# Altium PCB PCB1.PcbDoc (part 5 of 6)
Units mil, origin at the board's own origin, x right, y up, seen from the top; angles counter-clockwise.
Board outline 3937.01 x 3937.01 mil, 4 copper layers (Top Layer, GND, PWR, Bottom Layer), stack 72.967 mil thick; 11 components, 206 nets, 668 pads, 258 vias.
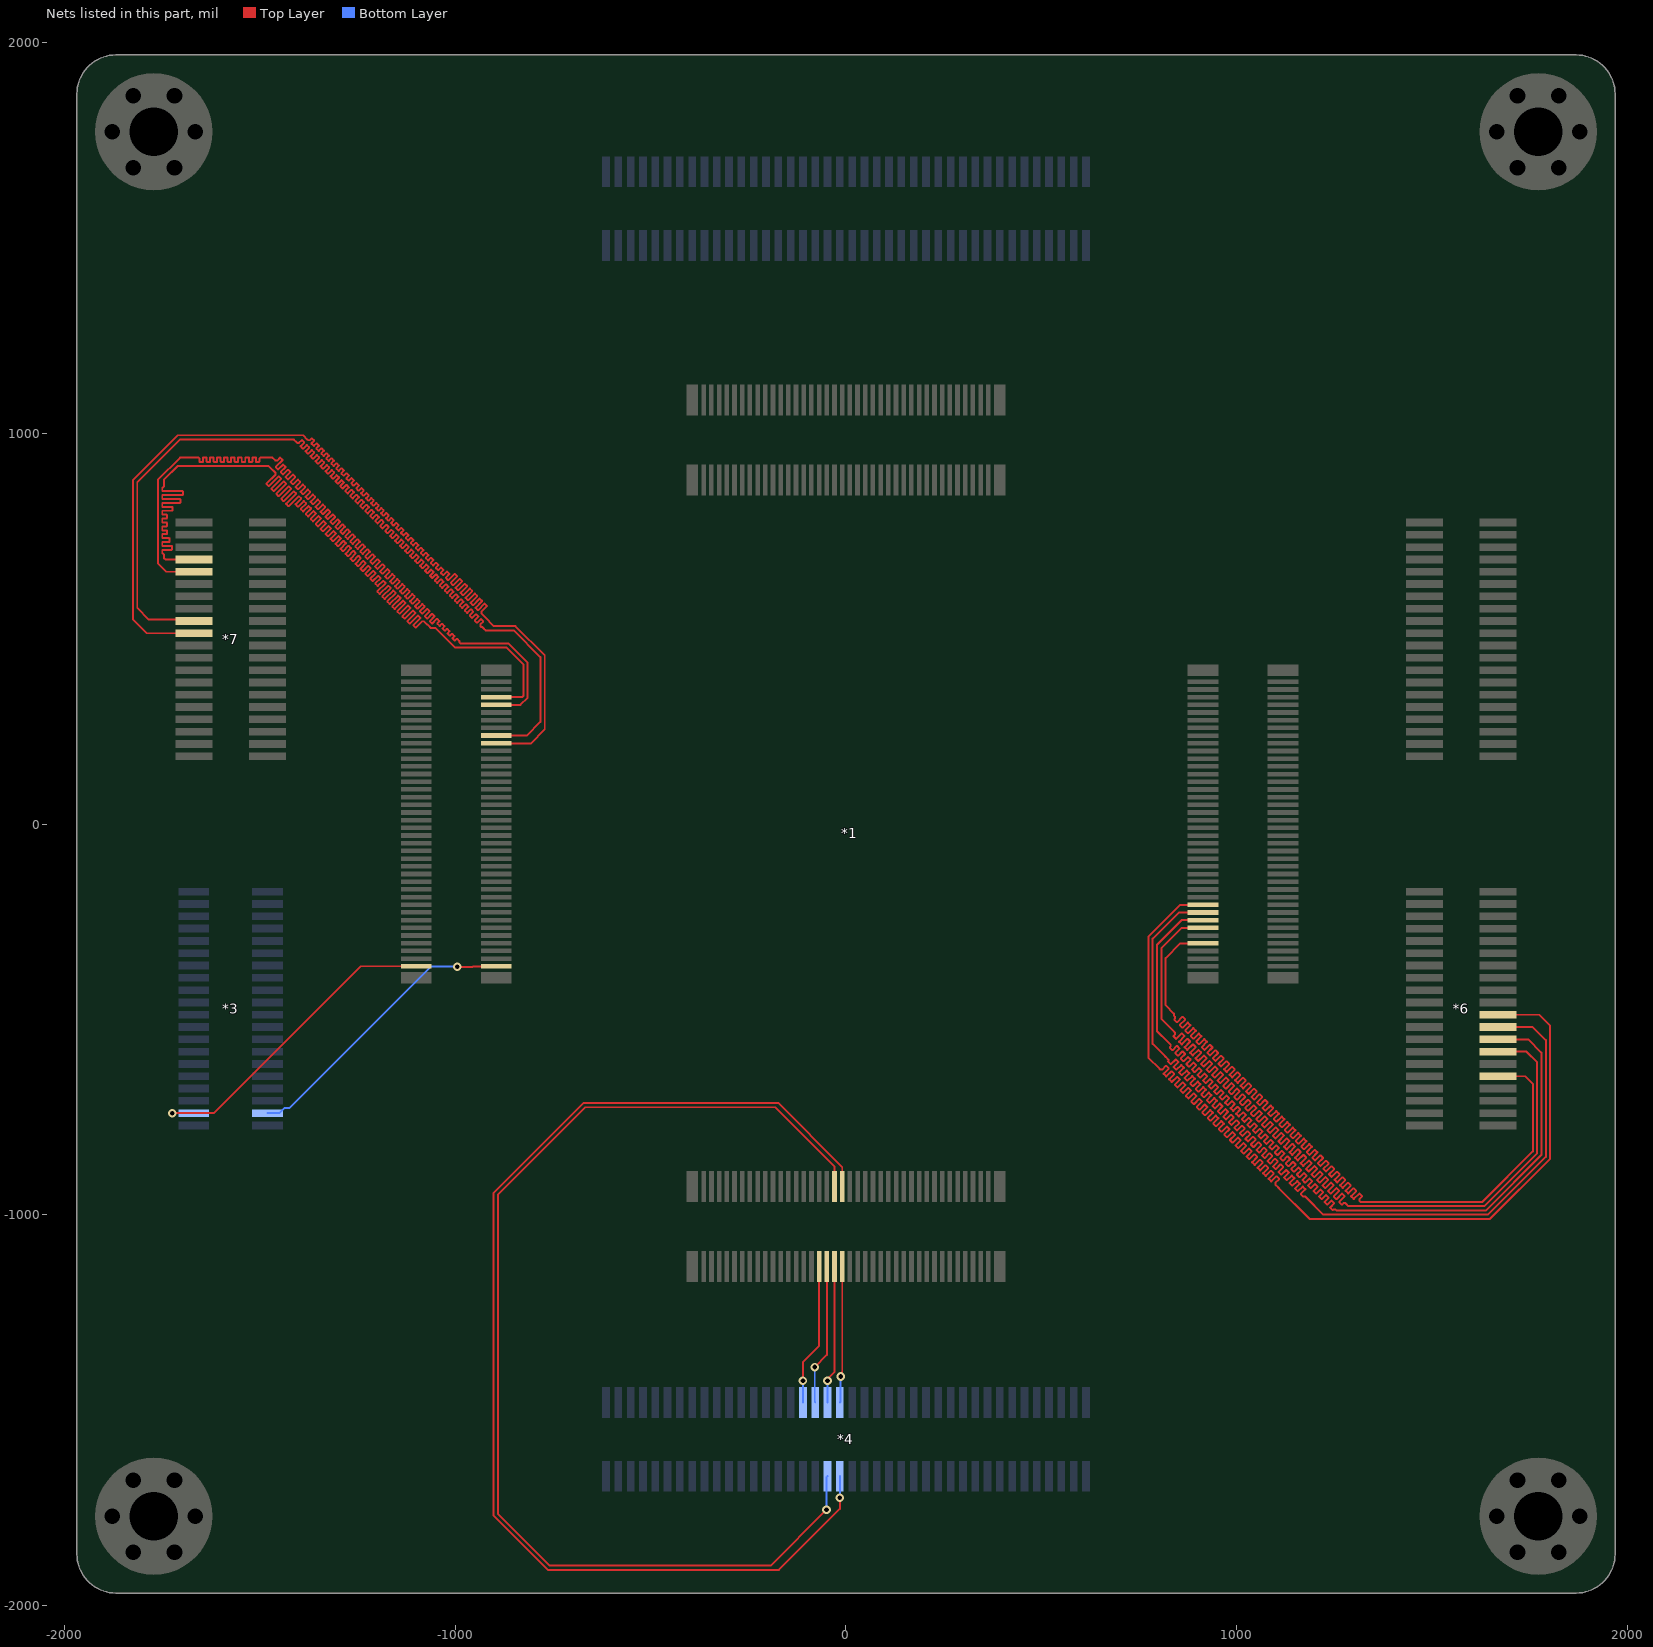
[diagram p7: the nets of this part, all layers, seen from the top]

## Via types
v1: diameter 22, hole 12, Top Layer to Bottom Layer, 254 vias
v2: diameter 24, hole 12, Top Layer to Bottom Layer, 4 vias

## Nets (pads, with @x,y where several pads share a name; then routed paths per layer and width w, separated by ;. In a path a pad name is that pad's centre, name@x,y a point inside that pad or via, vN(x,y) a via of type N, cw(c..) or ccw(c..) an arc to the next point about the centre after c; other vN are vias at no path point) (continued)
B15_L23_N: *1.223 *7.23 | length 3076.5
  Top Layer w5: *7.23@-1669.29,519.69 -1672.61,523 -1784,523 -1814,553 -1814,875.23 -1705.23,984 -1413,984 -1406,977 -1404.23,975.23 -1400.09,975.23 -1392.98,982.34 -1392.34,982.34 -1386.62,976.61 -1386.62,975.98 -1395.69,966.9 -1395.69,966.27 -1389.96,960.54 -1389.33,960.54 -1380.36,969.5 -1379.73,969.5 -1374,963.78 -1374,963.14 -1382.96,954.17 -1382.96,953.54 -1377.24,947.81 -1376.6,947.81 -1367.63,956.78 -1367,956.78 -1361.27,951.05 -1361.27,950.41 -1370.24,941.45 -1370.24,940.81 -1364.51,935.08 -1363.87,935.08 -1354.91,944.05 -1354.27,944.05 -1348.54,938.32 -1348.54,937.68 -1357.51,928.72 -1357.51,928.08 -1351.78,922.35 -1351.14,922.35 -1342.18,931.32 -1341.54,931.32 -1335.81,925.59 -1335.81,924.96 -1344.78,915.99 -1344.78,915.35 -1339.05,909.63 -1338.42,909.63 -1329.45,918.59 -1328.81,918.59 -1323.09,912.86 -1323.09,912.23 -1332.05,903.26 -1332.05,902.63 -1326.32,896.9 -1325.69,896.9 -1316.72,905.86 -1316.09,905.86 -1310.36,900.14 -1310.36,899.5 -1319.32,890.53 -1319.32,889.9 -1313.6,884.17 -1312.96,884.17 -1303.99,893.14 -1303.36,893.14 -1297.63,887.41 -1297.63,886.77 -1306.6,877.81 -1306.6,877.17 -1300.87,871.44 -1300.23,871.44 -1291.27,880.41 -1290.63,880.41 -1284.9,874.68 -1284.9,874.04 -1293.87,865.08 -1293.87,864.44 -1288.14,858.72 -1287.5,858.72 -1278.54,867.68 -1277.9,867.68 -1272.17,861.95 -1272.17,861.32 -1281.14,852.35 -1281.14,851.71 -1275.41,845.99 -1274.78,845.99 -1265.81,854.95 -1265.17,854.95 -1259.45,849.23 -1259.45,848.59 -1268.41,839.62 -1268.41,838.99 -1262.68,833.26 -1262.05,833.26 -1253.08,842.22 -1252.45,842.22 -1246.72,836.5 -1246.72,835.86 -1255.68,826.9 -1255.68,826.26 -1249.96,820.53 -1249.32,820.53 -1240.35,829.5 -1239.72,829.5 -1233.99,823.77 -1233.99,823.13 -1242.96,814.17 -1242.96,813.53 -1237.23,807.8 -1236.59,807.8 -1227.63,816.77 -1226.99,816.77 -1221.26,811.04 -1221.26,810.41 -1230.23,801.44 -1230.23,800.8 -1224.5,795.08 -1223.86,795.08 -1214.9,804.04 -1214.26,804.04 -1208.53,798.31 -1208.53,797.68 -1217.5,788.71 -1217.5,788.08 -1211.77,782.35 -1211.14,782.35 -1202.17,791.31 -1201.53,791.31 -1195.81,785.59 -1195.81,784.95 -1204.77,775.98 -1204.77,775.35 -1199.04,769.62 -1198.41,769.62 -1189.44,778.59 -1188.81,778.59 -1183.08,772.86 -1183.08,772.22 -1192.04,763.26 -1192.04,762.62 -1186.32,756.89 -1185.68,756.89 -1176.72,765.86 -1176.08,765.86 -1170.35,760.13 -1170.35,759.49 -1179.32,750.53 -1179.32,749.89 -1173.59,744.16 -1172.95,744.16 -1163.99,753.13 -1163.35,753.13 -1157.62,747.4 -1157.62,746.77 -1166.59,737.8 -1166.59,737.16 -1160.86,731.44 -1160.22,731.44 -1151.26,740.4 -1150.62,740.4 -1144.9,734.67 -1144.9,734.04 -1153.86,725.07 -1153.86,724.44 -1148.13,718.71 -1147.5,718.71 -1138.53,727.67 -1137.89,727.67 -1132.17,721.95 -1132.17,721.31 -1141.13,712.34 -1141.13,711.71 -1135.41,705.98 -1134.77,705.98 -1125.8,714.95 -1125.17,714.95 -1119.44,709.22 -1119.44,708.58 -1128.4,699.62 -1128.4,698.98 -1122.68,693.25 -1122.04,693.25 -1113.08,702.22 -1112.44,702.22 -1106.71,696.49 -1106.71,695.85 -1115.68,686.89 -1115.68,686.25 -1109.95,680.52 -1109.31,680.52 -1100.35,689.49 -1099.71,689.49 -1093.98,683.76 -1093.98,683.13 -1102.95,674.16 -1102.95,673.52 -1097.22,667.8 -1096.59,667.8 -1087.62,676.76 -1086.98,676.76 -1081.26,671.03 -1081.26,670.4 -1090.22,661.43 -1090.22,660.8 -1084.49,655.07 -1083.86,655.07 -1074.89,664.03 -1074.26,664.03 -1068.53,658.31 -1068.53,657.67 -1077.49,648.7 -1077.49,648.07 -1071.77,642.34 -1071.13,642.34 -1062.16,651.31 -1061.53,651.31 -1055.8,645.58 -1055.8,644.94 -1064.77,635.98 -1064.77,635.34 -1059.04,629.61 -1058.4,629.61 -1049.44,638.58 -1048.8,638.58 -1043.07,632.85 -1043.07,632.21 -1052.04,623.25 -1052.04,622.61 -1046.31,616.88 -1045.67,616.88 -1036.71,625.85 -1036.07,625.85 -1030.34,620.12 -1030.34,619.49 -1039.31,610.52 -1039.31,609.88 -1033.58,604.16 -1032.95,604.16 -1023.98,613.12 -1023.34,613.12 -1017.62,607.39 -1017.62,606.76 -1026.58,597.79 -1026.58,597.16 -1020.85,591.43 -1020.22,591.43 -1011.25,600.39 -1010.62,600.39 -1004.89,594.67 -1004.89,594.03 -1013.85,585.06 -1013.85,584.43 -1008.13,578.7 -1007.49,578.7 -998.52,587.67 -997.89,587.67 -992.16,581.94 -992.16,581.3 -1001.13,572.34 -1001.13,571.7 -995.4,565.97 -994.76,565.97 -985.8,574.94 -985.16,574.94 -979.43,569.21 -979.43,568.57 -988.4,559.61 -988.4,558.97 -982.67,553.24 -982.03,553.24 -973.07,562.21 -972.43,562.21 -966.7,556.48 -966.7,555.85 -975.67,546.88 -975.67,546.24 -969.94,540.52 -969.31,540.52 -960.34,549.48 -959.7,549.48 -953.98,543.76 -953.98,543.12 -962.94,534.15 -962.94,533.52 -957.21,527.79 -956.58,527.79 -947.5,536.87 -946.87,536.87 -941.14,531.14 -941.14,530.5 -950.21,521.43 -950.21,520.79 -944.49,515.06 -943.85,515.06 -934.77,524.14 -934.14,524.14 -928.41,518.41 -928.41,517.77 -935.52,510.66 -935.52,506.52 -933.65,504.65 -931.45,504.65 -928.66,501.85 -926.89,500.09 -922.33,495.53 -850.66,495.53 -782,426.87 -782,261.46 -817.46,226 *1.223@-926.58,226
B15_L23_P: *1.221 *7.21 | length 3082.7
  Top Layer w5: *7.21@-1669.29,488.19 -1789.19,488.19 -1825,524 -1825,879.78 -1709.78,995 -1389.44,995 -1378.46,984.01 -1376.69,982.25 -1372.55,982.25 -1367.49,987.31 -1366.85,987.31 -1361.12,981.58 -1361.12,980.94 -1368.05,974.02 -1368.05,973.38 -1362.32,967.65 -1361.68,967.65 -1355.19,974.15 -1354.55,974.15 -1348.83,968.42 -1348.83,967.78 -1355.32,961.29 -1355.32,960.65 -1349.59,954.93 -1348.96,954.93 -1342.46,961.42 -1341.83,961.42 -1336.1,955.69 -1336.1,955.05 -1342.59,948.56 -1342.59,947.93 -1336.86,942.2 -1336.23,942.2 -1329.74,948.69 -1329.1,948.69 -1323.37,942.96 -1323.37,942.33 -1329.86,935.83 -1329.86,935.2 -1324.14,929.47 -1323.5,929.47 -1317.01,935.96 -1316.37,935.96 -1310.64,930.24 -1310.64,929.6 -1317.14,923.11 -1317.14,922.47 -1311.41,916.74 -1310.77,916.74 -1304.28,923.24 -1303.64,923.24 -1297.92,917.51 -1297.92,916.87 -1304.41,910.38 -1304.41,909.74 -1298.68,904.01 -1298.04,904.01 -1291.55,910.51 -1290.91,910.51 -1285.19,904.78 -1285.19,904.14 -1291.68,897.65 -1291.68,897.01 -1285.95,891.29 -1285.32,891.29 -1278.82,897.78 -1278.19,897.78 -1272.46,892.05 -1272.46,891.42 -1278.95,884.92 -1278.95,884.29 -1273.22,878.56 -1272.59,878.56 -1266.1,885.05 -1265.46,885.05 -1259.73,879.32 -1259.73,878.69 -1266.22,872.2 -1266.22,871.56 -1260.5,865.83 -1259.86,865.83 -1253.37,872.32 -1252.73,872.32 -1247,866.6 -1247,865.96 -1253.5,859.47 -1253.5,858.83 -1247.77,853.1 -1247.13,853.1 -1240.64,859.6 -1240,859.6 -1234.28,853.87 -1234.28,853.23 -1240.77,846.74 -1240.77,846.1 -1235.04,840.38 -1234.4,840.38 -1227.91,846.87 -1227.28,846.87 -1221.55,841.14 -1221.55,840.5 -1228.04,834.01 -1228.04,833.38 -1222.31,827.65 -1221.68,827.65 -1215.18,834.14 -1214.55,834.14 -1208.82,828.41 -1208.82,827.78 -1215.31,821.28 -1215.31,820.65 -1209.58,814.92 -1208.95,814.92 -1202.46,821.41 -1201.82,821.41 -1196.09,815.68 -1196.09,815.05 -1202.58,808.56 -1202.58,807.92 -1196.86,802.19 -1196.22,802.19 -1189.73,808.68 -1189.09,808.68 -1183.36,802.96 -1183.36,802.32 -1189.86,795.83 -1189.86,795.19 -1184.13,789.46 -1183.49,789.46 -1177,795.96 -1176.36,795.96 -1170.64,790.23 -1170.64,789.59 -1177.13,783.1 -1177.13,782.46 -1171.4,776.74 -1170.76,776.74 -1164.27,783.23 -1163.64,783.23 -1157.91,777.5 -1157.91,776.86 -1164.4,770.37 -1164.4,769.74 -1158.67,764.01 -1158.04,764.01 -1151.54,770.5 -1150.91,770.5 -1145.18,764.77 -1145.18,764.14 -1151.67,757.64 -1151.67,757.01 -1145.94,751.28 -1145.31,751.28 -1138.82,757.77 -1138.18,757.77 -1132.45,752.04 -1132.45,751.41 -1138.94,744.92 -1138.94,744.28 -1133.22,738.55 -1132.58,738.55 -1126.09,745.04 -1125.45,745.04 -1119.72,739.32 -1119.72,738.68 -1126.22,732.19 -1126.22,731.55 -1120.49,725.82 -1119.85,725.82 -1113.36,732.32 -1112.72,732.32 -1107,726.59 -1107,725.95 -1113.49,719.46 -1113.49,718.82 -1107.76,713.1 -1107.12,713.1 -1100.63,719.59 -1100,719.59 -1094.27,713.86 -1094.27,713.22 -1100.76,706.73 -1100.76,706.1 -1095.03,700.37 -1094.4,700.37 -1087.9,706.86 -1087.27,706.86 -1081.54,701.13 -1081.54,700.5 -1088.03,694 -1088.03,693.37 -1082.31,687.64 -1081.67,687.64 -1075.18,694.13 -1074.54,694.13 -1068.81,688.4 -1068.81,687.77 -1075.3,681.28 -1075.3,680.64 -1069.58,674.91 -1068.94,674.91 -1062.45,681.4 -1061.81,681.4 -1056.08,675.68 -1056.08,675.04 -1062.58,668.55 -1062.58,667.91 -1056.85,662.18 -1056.21,662.18 -1049.72,668.68 -1049.08,668.68 -1043.36,662.95 -1043.36,662.31 -1049.85,655.82 -1049.85,655.18 -1044.12,649.46 -1043.49,649.46 -1036.99,655.95 -1036.36,655.95 -1030.63,650.22 -1030.63,649.58 -1037.12,643.09 -1037.12,642.46 -1031.39,636.73 -1030.76,636.73 -1021.29,646.19 -1020.66,646.19 -1014.93,640.46 -1014.93,639.83 -1024.39,630.36 -1024.39,629.73 -1018.67,624 -1018.03,624 -1001.67,640.36 -1001.04,640.36 -995.31,634.63 -995.31,633.99 -1011.67,617.64 -1011.67,617 -1005.94,611.27 -1005.3,611.27 -988.94,627.63 -988.31,627.63 -982.58,621.9 -982.58,621.27 -998.94,604.91 -998.94,604.27 -993.21,598.54 -992.57,598.54 -976.22,614.9 -975.58,614.9 -969.85,609.17 -969.85,608.54 -986.21,592.18 -986.21,591.54 -980.48,585.82 -979.85,585.82 -963.49,602.17 -962.85,602.17 -957.12,596.45 -957.12,595.81 -973.48,579.45 -973.48,578.82 -967.75,573.09 -967.12,573.09 -950.76,589.45 -950.12,589.45 -944.4,583.72 -944.4,583.08 -960.75,566.73 -960.75,566.09 -955.03,560.36 -954.39,560.36 -938.03,576.72 -937.4,576.72 -931.67,570.99 -931.67,570.35 -948.03,554 -948.03,553.36 -942.3,547.63 -941.66,547.63 -925.3,563.99 -924.67,563.99 -918.94,558.26 -918.94,557.63 -933.43,543.13 -933.43,538.99 -924.36,529.92 -900.97,506.53 -846.1,506.53 -771,431.42 -771,242.37 -807.37,206 *1.221@-917.61,206
B15_L24_N: *1.233 *7.33 | length 3449.6
  Top Layer w5: *7.33@-1669.29,677.17 -1742.07,677.17 -1745,680.09 -1745,686.35 -1745,688.85 -1747.93,691.78 -1749,691.78 -1750,692.78 -1750,700.78 -1749,701.78 -1726.04,701.78 -1725.04,702.78 -1725.04,710.78 -1726.04,711.78 -1749,711.78 -1750,712.78 -1750,720.78 -1749,721.78 -1732.16,721.78 -1731.16,722.78 -1731.16,730.78 -1732.16,731.78 -1749,731.78 -1750,732.78 -1750,740.78 -1749,741.78 -1738.97,741.78 -1737.97,742.78 -1737.97,750.78 -1738.97,751.78 -1749,751.78 -1750,752.78 -1750,760.78 -1749,761.78 -1738.97,761.78 -1737.97,762.78 -1737.97,770.78 -1738.97,771.78 -1749,771.78 -1750,772.78 -1750,780.78 -1749,781.78 -1738.97,781.78 -1737.97,782.78 -1737.97,790.78 -1738.97,791.78 -1749,791.78 -1750,792.78 -1750,800.78 -1749,801.78 -1724.84,801.78 -1723.84,802.78 -1723.84,810.78 -1724.84,811.78 -1749,811.78 -1750,812.78 -1750,820.78 -1749,821.78 -1704.84,821.78 -1703.84,822.78 -1703.84,830.78 -1704.84,831.78 -1749,831.78 -1750,832.78 -1750,840.78 -1749,841.78 -1698.01,841.78 -1697.01,842.78 -1697.01,850.78 -1698.01,851.78 -1749,851.78 -1750,852.78 -1750,860.78 -1749,861.78 -1747.93,861.78 -1745,864.7 -1745,873 -1745,882 -1711,916 -1477.6,916 -1468.3,906.7 -1466.53,904.93 -1460.17,898.57 -1460.17,894.43 -1483.65,870.95 -1483.65,870.31 -1477.92,864.58 -1477.28,864.58 -1452.05,889.82 -1451.41,889.82 -1445.69,884.09 -1445.69,883.45 -1470.92,858.22 -1470.92,857.58 -1465.19,851.86 -1464.55,851.86 -1439.32,877.09 -1438.69,877.09 -1432.96,871.36 -1432.96,870.72 -1458.19,845.49 -1458.19,844.86 -1452.46,839.13 -1451.83,839.13 -1426.59,864.36 -1425.96,864.36 -1420.23,858.63 -1420.23,858 -1445.46,832.76 -1445.46,832.13 -1439.74,826.4 -1439.1,826.4 -1413.87,851.63 -1413.23,851.63 -1407.5,845.9 -1407.5,845.27 -1432.73,820.04 -1432.73,819.4 -1427.01,813.67 -1426.37,813.67 -1401.14,838.9 -1400.5,838.9 -1394.77,833.18 -1394.77,832.54 -1408.58,818.73 -1408.58,818.1 -1402.85,812.37 -1402.22,812.37 -1388.41,826.18 -1387.77,826.18 -1382.05,820.45 -1382.05,819.81 -1395.33,806.53 -1395.33,805.89 -1389.61,800.16 -1388.97,800.16 -1375.68,813.45 -1375.05,813.45 -1369.32,807.72 -1369.32,807.08 -1382.61,793.8 -1382.61,793.16 -1376.88,787.43 -1376.24,787.43 -1362.95,800.72 -1362.32,800.72 -1356.59,794.99 -1356.59,794.36 -1369.88,781.07 -1369.88,780.43 -1364.15,774.71 -1363.51,774.71 -1350.23,787.99 -1349.59,787.99 -1343.86,782.27 -1343.86,781.63 -1357.15,768.34 -1357.15,767.71 -1351.42,761.98 -1350.79,761.98 -1337.5,775.26 -1336.86,775.26 -1331.13,769.54 -1331.13,768.9 -1344.42,755.61 -1344.42,754.98 -1338.69,749.25 -1338.06,749.25 -1324.77,762.54 -1324.13,762.54 -1318.41,756.81 -1318.41,756.17 -1331.69,742.89 -1331.69,742.25 -1325.97,736.52 -1325.33,736.52 -1312.04,749.81 -1311.41,749.81 -1305.68,744.08 -1305.68,743.44 -1318.97,730.16 -1318.97,729.52 -1313.24,723.79 -1312.6,723.79 -1299.31,737.08 -1298.68,737.08 -1292.95,731.35 -1292.95,730.72 -1306.24,717.43 -1306.24,716.79 -1300.51,711.07 -1299.87,711.07 -1286.59,724.35 -1285.95,724.35 -1280.22,718.63 -1280.22,717.99 -1293.51,704.7 -1293.51,704.07 -1287.78,698.34 -1287.15,698.34 -1273.86,711.63 -1273.22,711.63 -1267.49,705.9 -1267.49,705.26 -1280.78,691.97 -1280.78,691.34 -1275.05,685.61 -1274.42,685.61 -1261.13,698.9 -1260.49,698.9 -1254.77,693.17 -1254.77,692.53 -1268.05,679.25 -1268.05,678.61 -1262.33,672.88 -1261.69,672.88 -1248.4,686.17 -1247.77,686.17 -1242.04,680.44 -1242.04,679.81 -1255.33,666.52 -1255.33,665.88 -1249.6,660.15 -1248.96,660.15 -1235.68,673.44 -1235.04,673.44 -1229.31,667.71 -1229.31,667.08 -1242.6,653.79 -1242.6,653.15 -1236.87,647.43 -1236.23,647.43 -1222.95,660.71 -1222.31,660.71 -1216.58,654.99 -1216.58,654.35 -1229.87,641.06 -1229.87,640.43 -1224.14,634.7 -1223.51,634.7 -1210.22,647.99 -1209.58,647.99 -1203.86,642.26 -1203.86,641.62 -1217.14,628.33 -1217.14,627.7 -1211.41,621.97 -1210.78,621.97 -1197.49,635.26 -1196.85,635.26 -1191.13,629.53 -1191.13,628.89 -1204.41,615.61 -1204.41,614.97 -1198.69,609.24 -1198.05,609.24 -1184.76,622.53 -1184.13,622.53 -1178.4,616.8 -1178.4,616.17 -1199.19,595.38 -1199.19,594.74 -1193.46,589.01 -1192.82,589.01 -1172.04,609.8 -1171.4,609.8 -1165.67,604.07 -1165.67,603.44 -1186.46,582.65 -1186.46,582.01 -1180.73,576.29 -1180.09,576.29 -1159.31,597.07 -1158.67,597.07 -1152.94,591.35 -1152.94,590.71 -1173.73,569.92 -1173.73,569.29 -1168,563.56 -1167.37,563.56 -1146.58,584.35 -1145.94,584.35 -1140.22,578.62 -1140.22,577.98 -1161,557.2 -1161,556.56 -1155.27,550.83 -1154.64,550.83 -1133.85,571.62 -1133.22,571.62 -1127.49,565.89 -1127.49,565.25 -1148.27,544.47 -1148.27,543.83 -1142.55,538.1 -1141.91,538.1 -1121.12,558.89 -1120.49,558.89 -1114.76,553.16 -1114.76,552.53 -1135.55,531.74 -1135.55,531.1 -1129.82,525.38 -1129.18,525.38 -1108.4,546.16 -1107.76,546.16 -1102.03,540.43 -1102.03,539.8 -1122.82,519.01 -1122.82,518.38 -1117.09,512.65 -1116.45,512.65 -1095.67,533.43 -1095.03,533.43 -1089.3,527.71 -1089.3,527.07 -1107.53,508.85 -1107.53,508.21 -1101.8,502.48 -1101.16,502.48 -1084.69,518.95 -1080.55,518.95 -1074.07,512.47 -1072.3,510.7 -1064.6,503 -1063.76,502.16 -1050.69,502.16 -1000.05,451.53 -868.88,451.53 -826,408.64 -826,327.94 -828.93,325.01 *1.233@-894.72,325.01
B15_L24_P: *1.231 *7.31 | length 3026
  Top Layer w5: *7.31@-1669.29,645.67 -1739.67,645.67 -1761,667 -1761,881.56 -1704.56,938 -1669,938 -1657.5,938 -1654.57,935.07 -1654.57,927.45 -1654.12,927 -1646.02,927 -1645.57,927.45 -1645.57,937.55 -1645.12,938 -1637.02,938 -1636.57,937.55 -1636.57,927.45 -1636.12,927 -1628.02,927 -1627.57,927.45 -1627.57,937.55 -1627.12,938 -1619.02,938 -1618.57,937.55 -1618.57,927.45 -1618.12,927 -1610.02,927 -1609.57,927.45 -1609.57,937.55 -1609.12,938 -1601.02,938 -1600.57,937.55 -1600.57,927.45 -1600.12,927 -1592.02,927 -1591.57,927.45 -1591.57,937.55 -1591.12,938 -1583.02,938 -1582.57,937.55 -1582.57,927.45 -1582.12,927 -1574.02,927 -1573.57,927.45 -1573.57,937.55 -1573.12,938 -1565.02,938 -1564.57,937.55 -1564.57,927.45 -1564.12,927 -1556.02,927 -1555.57,927.45 -1555.57,937.55 -1555.12,938 -1547.02,938 -1546.57,937.55 -1546.57,927.45 -1546.12,927 -1538.02,927 -1537.57,927.45 -1537.57,937.55 -1537.12,938 -1529.02,938 -1528.57,937.55 -1528.57,927.45 -1528.12,927 -1520.02,927 -1519.57,927.45 -1519.57,937.55 -1519.12,938 -1511.02,938 -1510.57,937.55 -1510.57,927.45 -1510.12,927 -1502.02,927 -1501.57,927.45 -1501.57,935.07 -1498.64,938 -1493,938 -1468,938 -1462,932 -1460.23,930.23 -1456.09,930.23 -1448.64,937.68 -1448,937.68 -1442.28,931.95 -1442.28,931.32 -1459.5,914.09 -1459.5,913.46 -1453.77,907.73 -1453.14,907.73 -1440.96,919.9 -1440.33,919.9 -1434.6,914.18 -1434.6,913.54 -1446.77,901.37 -1446.77,900.73 -1441.04,895 -1440.41,895 -1428.71,906.7 -1428.08,906.7 -1422.35,900.97 -1422.35,900.33 -1434.04,888.64 -1434.04,888 -1428.32,882.27 -1427.68,882.27 -1415.99,893.97 -1415.35,893.97 -1409.62,888.24 -1409.62,887.6 -1421.32,875.91 -1421.32,875.27 -1415.59,869.55 -1414.95,869.55 -1403.26,881.24 -1402.62,881.24 -1396.89,875.51 -1396.89,874.88 -1408.59,863.18 -1408.59,862.55 -1402.86,856.82 -1402.22,856.82 -1390.53,868.51 -1389.89,868.51 -1384.17,862.79 -1384.17,862.15 -1395.86,850.45 -1395.86,849.82 -1390.13,844.09 -1389.5,844.09 -1377.8,855.78 -1377.17,855.78 -1371.44,850.06 -1371.44,849.42 -1383.13,837.73 -1383.13,837.09 -1377.4,831.36 -1376.77,831.36 -1365.07,843.06 -1364.44,843.06 -1358.71,837.33 -1358.71,836.69 -1370.4,825 -1370.4,824.36 -1364.68,818.64 -1364.04,818.64 -1352.35,830.33 -1351.71,830.33 -1345.98,824.6 -1345.98,823.97 -1357.68,812.27 -1357.68,811.63 -1351.95,805.91 -1351.31,805.91 -1339.62,817.6 -1338.98,817.6 -1333.25,811.87 -1333.25,811.24 -1344.95,799.54 -1344.95,798.91 -1339.22,793.18 -1338.58,793.18 -1326.84,804.92 -1326.21,804.92 -1320.48,799.19 -1320.48,798.56 -1332.22,786.82 -1332.22,786.18 -1326.49,780.45 -1325.86,780.45 -1314.16,792.15 -1313.53,792.15 -1307.8,786.42 -1307.8,785.78 -1319.49,774.09 -1319.49,773.45 -1313.76,767.72 -1313.13,767.72 -1301.43,779.42 -1300.8,779.42 -1295.07,773.69 -1295.07,773.05 -1306.76,761.36 -1306.76,760.72 -1301.04,755 -1300.4,755 -1288.71,766.69 -1288.07,766.69 -1282.34,760.96 -1282.34,760.33 -1294.04,748.63 -1294.04,748 -1288.31,742.27 -1287.67,742.27 -1275.98,753.96 -1275.34,753.96 -1269.61,748.23 -1269.61,747.6 -1281.31,735.9 -1281.31,735.27 -1275.58,729.54 -1274.94,729.54 -1263.25,741.23 -1262.61,741.23 -1256.89,735.51 -1256.89,734.87 -1268.58,723.18 -1268.58,722.54 -1262.85,716.81 -1262.22,716.81 -1250.52,728.51 -1249.89,728.51 -1244.16,722.78 -1244.16,722.14 -1255.85,710.45 -1255.85,709.81 -1250.12,704.08 -1249.49,704.08 -1237.79,715.78 -1237.16,715.78 -1231.43,710.05 -1231.43,709.41 -1243.12,697.72 -1243.12,697.08 -1237.4,691.36 -1236.76,691.36 -1225.07,703.05 -1224.43,703.05 -1218.7,697.32 -1218.7,696.69 -1230.4,684.99 -1230.4,684.36 -1224.67,678.63 -1224.03,678.63 -1212.34,690.32 -1211.7,690.32 -1205.97,684.59 -1205.97,683.96 -1217.67,672.26 -1217.67,671.63 -1211.94,665.9 -1211.3,665.9 -1199.56,677.64 -1198.93,677.64 -1193.2,671.91 -1193.2,671.28 -1204.94,659.54 -1204.94,658.9 -1199.21,653.17 -1198.58,653.17 -1186.88,664.87 -1186.25,664.87 -1180.52,659.14 -1180.52,658.5 -1192.21,646.81 -1192.21,646.17 -1186.49,640.44 -1185.85,640.44 -1174.15,652.14 -1173.52,652.14 -1167.79,646.41 -1167.79,645.77 -1179.48,634.08 -1179.48,633.44 -1173.76,627.72 -1173.12,627.72 -1161.43,639.41 -1160.79,639.41 -1155.06,633.68 -1155.06,633.05 -1166.76,621.35 -1166.76,620.72 -1161.03,614.99 -1160.39,614.99 -1148.7,626.68 -1148.06,626.68 -1142.34,620.95 -1142.34,620.32 -1154.03,608.62 -1154.03,607.99 -1148.3,602.26 -1147.66,602.26 -1135.97,613.95 -1135.33,613.95 -1129.61,608.23 -1129.61,607.59 -1141.3,595.9 -1141.3,595.26 -1135.57,589.53 -1134.94,589.53 -1123.24,601.23 -1122.61,601.23 -1116.88,595.5 -1116.88,594.86 -1128.57,583.17 -1128.57,582.53 -1122.85,576.8 -1122.21,576.8 -1110.52,588.5 -1109.88,588.5 -1104.15,582.77 -1104.15,582.13 -1115.85,570.44 -1115.85,569.8 -1110.12,564.08 -1109.48,564.08 -1097.79,575.77 -1097.15,575.77 -1091.42,570.04 -1091.42,569.41 -1103.12,557.71 -1103.12,557.08 -1097.39,551.35 -1096.75,551.35 -1085.06,563.04 -1084.42,563.04 -1078.7,557.32 -1078.7,556.68 -1090.39,544.98 -1090.39,544.35 -1084.66,538.62 -1084.03,538.62 -1072.28,550.36 -1071.65,550.36 -1065.92,544.63 -1065.92,544 -1077.66,532.26 -1077.66,531.62 -1071.93,525.89 -1071.3,525.89 -1059.6,537.59 -1058.97,537.59 -1053.24,531.86 -1053.24,531.22 -1064.93,519.53 -1064.93,518.89 -1059.21,513.16 -1058.57,513.16 -1046.88,524.86 -1046.24,524.86 -1040.51,519.13 -1040.51,518.5 -1045.67,513.34 -1045.67,512.7 -1039.94,506.97 -1039.31,506.97 -1034.15,512.13 -1033.51,512.13 -1027.78,506.4 -1027.78,505.77 -1032.62,500.93 -1032.62,500.29 -1026.9,494.56 -1026.26,494.56 -1021.42,499.4 -1020.78,499.4 -1015.06,493.68 -1015.06,493.04 -1019.89,488.2 -1019.89,487.56 -1014.17,481.84 -1013.53,481.84 -1008.69,486.68 -1008.06,486.68 -1002.33,480.95 -1002.33,480.31 -1007.17,475.47 -1007.17,474.84 -1001.44,469.11 -1000.8,469.11 -996.14,473.77 -995.5,473.77 -989.77,468.05 -989.77,465.45 -986.85,462.53 -979.67,462.53 -864.33,462.53 -815,413.2 -815,323.38 -833.24,305.14 *1.231@-894.9,305.14
B16_IO0: *1.163 *3.3 | length 726.3
  Top Layer w5: v1(-995,-365.5) -955.42,-365.5 -954.49,-364.57 -910.77,-364.57 *1.163@-910.2,-364
  Bottom Layer w5: *3.3@-1480.31,-740.16 -1450.79,-740.16 -1437.65,-727.01 -1424.58,-727.01 -1062.56,-365 -995.5,-365 v1(-995,-365.5)
B16_IO25: *1.164 *3.4 | length 836.2
  Top Layer w5: v1(-1724.66,-740.16) -1617.84,-740.16 -1241.82,-364.14 *1.164@-1099.62,-364.14
  Bottom Layer w5: v1(-1724.66,-740.16) *3.4@-1669.29,-740.16
B16_L1_N: *1.61 *6.21 | length 3006.2
  Top Layer w5: *1.61@913.71,-206.87 856.01,-206.87 774,-288.88 774,-598 802.5,-626.5 804.27,-628.27 804.86,-628.86 809.01,-628.86 818.94,-618.93 819.65,-618.93 826.01,-625.3 826.01,-626 813.14,-638.88 813.14,-639.58 819.5,-645.95 820.21,-645.95 833.08,-633.07 833.79,-633.07 840.15,-639.44 840.15,-640.15 827.28,-653.02 827.28,-653.72 833.64,-660.09 834.35,-660.09 847.22,-647.22 847.93,-647.22 854.29,-653.58 854.29,-654.29 841.42,-667.16 841.42,-667.87 847.79,-674.23 848.49,-674.23 861.37,-661.36 862.07,-661.36 868.44,-667.72 868.44,-668.43 855.57,-681.3 855.57,-682.01 861.93,-688.37 862.64,-688.37 875.51,-675.5 876.22,-675.5 882.58,-681.86 882.58,-682.57 869.71,-695.44 869.71,-696.15 876.07,-702.51 876.78,-702.51 889.65,-689.64 890.36,-689.64 896.72,-696.01 896.72,-696.71 883.85,-709.59 883.85,-710.29 890.21,-716.66 890.92,-716.66 903.79,-703.79 904.5,-703.79 910.86,-710.15 910.86,-710.86 897.99,-723.73 897.99,-724.44 904.36,-730.8 905.06,-730.8 917.93,-717.93 918.64,-717.93 925.01,-724.29 925.01,-725 912.13,-737.87 912.13,-738.58 918.5,-744.94 919.2,-744.94 932.08,-732.07 932.78,-732.07 939.15,-738.43 939.15,-739.14 926.28,-752.01 926.28,-752.72 932.64,-759.08 933.35,-759.08 946.22,-746.21 946.93,-746.21 953.29,-752.58 953.29,-753.28 940.42,-766.15 940.42,-766.86 946.78,-773.23 947.49,-773.23 960.36,-760.35 961.07,-760.35 967.43,-766.72 967.43,-767.42 954.56,-780.3 954.56,-781 960.92,-787.37 961.63,-787.37 974.5,-774.5 975.21,-774.5 981.57,-780.86 981.57,-781.57 968.7,-794.44 968.7,-795.15 975.07,-801.51 975.77,-801.51 988.65,-788.64 989.35,-788.64 995.72,-795 995.72,-795.71 982.84,-808.58 982.84,-809.29 989.21,-815.65 989.92,-815.65 1002.79,-802.78 1003.49,-802.78 1009.86,-809.14 1009.86,-809.85 996.99,-822.72 996.99,-823.43 1003.35,-829.79 1004.06,-829.79 1016.93,-816.92 1017.64,-816.92 1024,-823.29 1024,-823.99 1011.13,-836.87 1011.13,-837.57 1017.49,-843.94 1018.2,-843.94 1031.07,-831.06 1031.78,-831.06 1038.14,-837.43 1038.14,-838.14 1025.27,-851.01 1025.27,-851.71 1031.63,-858.08 1032.34,-858.08 1045.21,-845.21 1045.92,-845.21 1052.28,-851.57 1052.28,-852.28 1039.41,-865.15 1039.41,-865.86 1045.78,-872.22 1046.48,-872.22 1059.36,-859.35 1060.06,-859.35 1066.43,-865.71 1066.43,-866.42 1053.56,-879.29 1053.56,-880 1059.92,-886.36 1060.63,-886.36 1073.5,-873.49 1074.21,-873.49 1080.57,-879.85 1080.57,-880.56 1067.7,-893.43 1067.7,-894.14 1074.06,-900.5 1074.77,-900.5 1087.64,-887.63 1088.35,-887.63 1094.71,-894 1094.71,-894.7 1081.84,-907.58 1081.84,-908.28 1088.2,-914.65 1088.91,-914.65 1101.78,-901.78 1102.49,-901.78 1108.85,-908.14 1108.85,-908.85 1098.92,-918.78 1098.92,-922.92 1105.99,-929.99 1107.76,-931.76 1187,-1011 1647.34,-1011 1802.04,-856.3 1802.04,-516.04 1774.19,-488.19 *6.21@1669.29,-488.19
B16_L1_P: *1.63 *6.23 | length 2936.7
  Top Layer w5: *1.63@913.71,-226.56 851.87,-226.56 785,-293.43 785,-563 816.5,-594.5 818.27,-596.27 824.92,-602.92 824.92,-607.06 824.48,-607.5 824.48,-608.21 830.84,-614.57 831.55,-614.57 843.39,-602.73 844.1,-602.73 850.46,-609.09 850.46,-609.8 838.62,-621.64 838.62,-622.35 844.98,-628.71 845.69,-628.71 857.54,-616.87 858.24,-616.87 864.61,-623.23 864.61,-623.94 852.76,-635.79 852.76,-636.49 859.13,-642.86 859.83,-642.86 871.68,-631.01 872.39,-631.01 878.75,-637.38 878.75,-638.08 866.9,-649.93 866.9,-650.63 873.27,-657 873.98,-657 885.82,-645.15 886.53,-645.15 892.89,-651.52 892.89,-652.23 881.05,-664.07 881.05,-664.78 887.41,-671.14 888.12,-671.14 899.96,-659.3 900.67,-659.3 907.03,-665.66 907.03,-666.37 895.19,-678.21 895.19,-678.92 901.55,-685.28 902.26,-685.28 914.1,-673.44 914.81,-673.44 921.18,-679.8 921.18,-680.51 909.33,-692.35 909.33,-693.06 915.7,-699.42 916.4,-699.42 928.25,-687.58 928.95,-687.58 935.32,-693.94 935.32,-694.65 923.47,-706.5 923.47,-707.2 929.84,-713.57 930.54,-713.57 942.39,-701.72 943.1,-701.72 949.46,-708.09 949.46,-708.79 937.62,-720.64 937.62,-721.35 943.98,-727.71 944.69,-727.71 956.53,-715.87 957.24,-715.87 963.6,-722.23 963.6,-722.94 951.76,-734.78 951.76,-735.49 958.12,-741.85 958.83,-741.85 970.67,-730.01 971.38,-730.01 977.74,-736.37 977.74,-737.08 965.9,-748.92 965.9,-749.63 972.26,-755.99 972.97,-755.99 984.81,-744.15 985.52,-744.15 991.89,-750.51 991.89,-751.22 980.04,-763.06 980.04,-763.77 986.41,-770.14 987.11,-770.14 998.96,-758.29 999.66,-758.29 1006.03,-764.66 1006.03,-765.36 994.18,-777.21 994.18,-777.91 1000.55,-784.28 1001.26,-784.28 1013.1,-772.43 1013.81,-772.43 1020.17,-778.8 1020.17,-779.5 1008.33,-791.35 1008.33,-792.06 1014.69,-798.42 1015.4,-798.42 1027.24,-786.58 1027.95,-786.58 1034.31,-792.94 1034.31,-793.65 1022.47,-805.49 1022.47,-806.2 1028.83,-812.56 1029.54,-812.56 1041.38,-800.72 1042.09,-800.72 1048.45,-807.08 1048.45,-807.79 1036.61,-819.63 1036.61,-820.34 1042.97,-826.7 1043.68,-826.7 1055.53,-814.86 1056.23,-814.86 1062.6,-821.22 1062.6,-821.93 1050.75,-833.78 1050.75,-834.48 1057.12,-840.85 1057.82,-840.85 1069.67,-829 1070.37,-829 1076.74,-835.37 1076.74,-836.07 1064.89,-847.92 1064.89,-848.62 1071.26,-854.99 1071.97,-854.99 1083.81,-843.14 1084.52,-843.14 1090.88,-849.51 1090.88,-850.22 1079.04,-862.06 1079.04,-862.77 1085.4,-869.13 1086.11,-869.13 1097.95,-857.29 1098.66,-857.29 1105.02,-863.65 1105.02,-864.36 1093.18,-876.2 1093.18,-876.91 1099.54,-883.27 1100.25,-883.27 1112.09,-871.43 1112.8,-871.43 1119.17,-877.79 1119.17,-878.5 1107.32,-890.34 1107.32,-891.05 1113.69,-897.41 1114.39,-897.41 1126.24,-885.57 1126.94,-885.57 1133.31,-891.93 1133.31,-892.64 1121.46,-904.49 1121.46,-905.19 1127.83,-911.56 1128.53,-911.56 1140.38,-899.71 1141.09,-899.71 1147.45,-906.08 1147.45,-906.78 1135.61,-918.63 1135.61,-919.34 1141.97,-925.7 1142.68,-925.7 1154.52,-913.86 1155.23,-913.86 1161.59,-920.22 1161.59,-920.93 1149.75,-932.77 1149.75,-933.48 1156.11,-939.84 1156.82,-939.84 1168.66,-928 1169.37,-928 1175.73,-934.36 1175.73,-935.07 1163.89,-946.91 1163.89,-947.62 1170.25,-953.98 1170.96,-953.98 1171.4,-953.54 1175.54,-953.54 1177.31,-955.31 1222,-1000 1642.78,-1000 1791.04,-851.75 1791.04,-553.04 1757.69,-519.69 *6.23@1669.29,-519.69
B16_L2_N: *1.284 *4.44 | length 355.2
  Top Layer w5: v1(-47.24,-1424.95) -47.24,-1420.35 -29.32,-1402.42 *1.284@-29.32,-1132.59
  Bottom Layer w5: *4.44@-47.24,-1480.32 v1(-47.24,-1424.95)
B16_L2_P: *1.282 *4.42 | length 350.3
  Top Layer w5: v1(-13.61,-1414.08) -10.36,-1410.83 -10.36,-1403.76 -9.63,-1403.03 *1.282@-9.63,-1132.59
  Bottom Layer w5: *4.42@-15.75,-1480.32 -13.61,-1478.18 v1(-13.61,-1414.08)
B16_L3_N: *1.288 *4.48 | length 364.9
  Top Layer w5: v1(-110.24,-1424.95) -110.24,-1377.51 -68.69,-1335.97 *1.288@-68.69,-1132.59
  Bottom Layer w5: *4.48@-110.24,-1480.32 v1(-110.24,-1424.95)
B16_L3_P: *1.286 *4.46 | length 361.1
  Top Layer w5: v1(-80,-1390) -49,-1359 *1.286@-49,-1132.59
  Bottom Layer w5: v1(-80,-1390) -80,-1479.06 *4.46@-78.74,-1480.32
B16_L4_N: *1.65 *6.25 | length 2869.8
  Top Layer w5: *1.65@916.84,-246.25 858.7,-246.25 796,-308.94 796,-530 825,-559 826.77,-560.77 831.15,-565.15 831.15,-569.29 829.04,-571.4 829.04,-572.11 835.4,-578.47 836.11,-578.47 846.47,-568.12 847.17,-568.12 853.54,-574.48 853.54,-575.19 843.18,-585.55 843.18,-586.25 849.55,-592.62 850.25,-592.62 860.61,-582.26 861.31,-582.26 867.68,-588.63 867.68,-589.33 857.32,-599.69 857.32,-600.4 863.69,-606.76 864.4,-606.76 874.75,-596.41 875.46,-596.41 881.82,-602.77 881.82,-603.48 871.47,-613.83 871.47,-614.54 877.83,-620.9 878.54,-620.9 888.89,-610.55 889.6,-610.55 895.96,-616.91 895.96,-617.62 885.61,-627.97 885.61,-628.68 891.97,-635.04 892.68,-635.04 903.03,-624.69 903.74,-624.69 910.1,-631.05 910.1,-631.76 899.75,-642.11 899.75,-642.82 906.11,-649.19 906.82,-649.19 917.18,-638.83 917.88,-638.83 924.25,-645.2 924.25,-645.9 913.89,-656.26 913.89,-656.96 920.26,-663.33 920.96,-663.33 931.32,-652.97 932.02,-652.97 938.39,-659.34 938.39,-660.04 928.03,-670.4 928.03,-671.11 934.4,-677.47 935.11,-677.47 945.46,-667.12 946.17,-667.12 952.53,-673.48 952.53,-674.19 942.18,-684.54 942.18,-685.25 948.54,-691.61 949.25,-691.61 959.6,-681.26 960.31,-681.26 966.67,-687.62 966.67,-688.33 956.32,-698.68 956.32,-699.39 962.68,-705.75 963.39,-705.75 973.74,-695.4 974.45,-695.4 980.82,-701.76 980.82,-702.47 970.46,-712.83 970.46,-713.53 976.83,-719.9 977.53,-719.9 987.89,-709.54 988.59,-709.54 994.96,-715.91 994.96,-716.61 984.6,-726.97 984.6,-727.67 990.97,-734.04 991.67,-734.04 1002.03,-723.68 1002.74,-723.68 1009.1,-730.05 1009.1,-730.76 998.75,-741.11 998.75,-741.82 1005.11,-748.18 1005.82,-748.18 1016.17,-737.83 1016.88,-737.83 1023.24,-744.19 1023.24,-744.9 1012.89,-755.25 1012.89,-755.96 1019.25,-762.32 1019.96,-762.32 1030.31,-751.97 1031.02,-751.97 1037.38,-758.33 1037.38,-759.04 1027.03,-769.39 1027.03,-770.1 1033.39,-776.46 1034.1,-776.46 1044.45,-766.11 1045.16,-766.11 1051.53,-772.47 1051.53,-773.18 1041.17,-783.54 1041.17,-784.24 1047.54,-790.61 1048.24,-790.61 1058.6,-780.25 1059.3,-780.25 1065.67,-786.62 1065.67,-787.32 1055.31,-797.68 1055.31,-798.39 1061.68,-804.75 1062.39,-804.75 1072.74,-794.39 1073.45,-794.39 1079.81,-800.76 1079.81,-801.47 1069.46,-811.82 1069.46,-812.53 1075.82,-818.89 1076.53,-818.89 1086.88,-808.54 1087.59,-808.54 1093.95,-814.9 1093.95,-815.61 1083.6,-825.96 1083.6,-826.67 1089.96,-833.03 1090.67,-833.03 1101.02,-822.68 1101.73,-822.68 1108.09,-829.04 1108.09,-829.75 1097.74,-840.1 1097.74,-840.81 1104.1,-847.18 1104.81,-847.18 1115.17,-836.82 1115.87,-836.82 1122.24,-843.19 1122.24,-843.89 1111.88,-854.25 1111.88,-854.95 1118.25,-861.32 1118.95,-861.32 1129.31,-850.96 1130.01,-850.96 1136.38,-857.33 1136.38,-858.03 1126.02,-868.39 1126.02,-869.1 1132.39,-875.46 1133.1,-875.46 1143.45,-865.11 1144.16,-865.11 1150.52,-871.47 1150.52,-872.18 1140.17,-882.53 1140.17,-883.24 1146.53,-889.6 1147.24,-889.6 1157.59,-879.25 1158.3,-879.25 1164.66,-885.61 1164.66,-886.32 1154.31,-896.67 1154.31,-897.38 1160.67,-903.74 1161.38,-903.74 1171.73,-893.39 1172.44,-893.39 1178.81,-899.75 1178.81,-900.46 1168.45,-910.82 1168.45,-911.52 1174.81,-917.89 1175.52,-917.89 1185.88,-907.53 1186.58,-907.53 1192.95,-913.9 1192.95,-914.6 1182.59,-924.96 1182.59,-925.66 1188.96,-932.03 1189.66,-932.03 1200.02,-921.67 1200.73,-921.67 1207.09,-928.04 1207.09,-928.75 1196.74,-939.1 1196.74,-939.81 1203.1,-946.17 1203.81,-946.17 1214.16,-935.82 1214.87,-935.82 1221.23,-942.18 1221.23,-942.89 1210.88,-953.24 1210.88,-953.95 1217.24,-960.31 1217.95,-960.31 1228.3,-949.96 1229.01,-949.96 1235.37,-956.32 1235.37,-957.03 1225.02,-967.38 1225.02,-968.09 1231.38,-974.45 1232.09,-974.45 1242.44,-964.1 1243.15,-964.1 1249.52,-970.46 1249.52,-971.17 1239.16,-981.53 1239.16,-982.23 1245.53,-988.6 1246.23,-988.6 1248.34,-986.49 1252.49,-986.49 1254.25,-988.25 1255,-989 1638.23,-989 1780.04,-847.19 1780.04,-585.04 1746.18,-551.18 *6.25@1669.29,-551.18
B16_L4_P: *1.67 *6.27 | length 3090
  Top Layer w5: *1.67@913.71,-265.93 859.07,-265.93 807,-318 807,-499 839,-531 840.77,-532.77 842.5,-534.5 842.5,-538.65 838.23,-542.92 838.23,-543.63 844.6,-549.99 845.3,-549.99 859.22,-536.07 859.93,-536.07 866.29,-542.44 866.29,-543.14 852.38,-557.06 852.38,-557.77 858.74,-564.13 859.45,-564.13 873.36,-550.22 874.07,-550.22 880.43,-556.58 880.43,-557.29 866.52,-571.2 866.52,-571.91 872.88,-578.27 873.59,-578.27 887.5,-564.36 888.21,-564.36 894.57,-570.72 894.57,-571.43 880.66,-585.34 880.66,-586.05 887.02,-592.42 887.73,-592.42 901.65,-578.5 902.35,-578.5 908.72,-584.86 908.72,-585.57 894.8,-599.49 894.8,-600.19 901.17,-606.56 901.87,-606.56 915.79,-592.64 916.5,-592.64 922.86,-599.01 922.86,-599.71 908.94,-613.63 908.94,-614.34 915.31,-620.7 916.01,-620.7 929.93,-606.78 930.64,-606.78 937,-613.15 937,-613.86 923.09,-627.77 923.09,-628.48 929.45,-634.84 930.16,-634.84 944.07,-620.93 944.78,-620.93 951.14,-627.29 951.14,-628 937.23,-641.91 937.23,-642.62 943.59,-648.98 944.3,-648.98 958.21,-635.07 958.92,-635.07 965.29,-641.43 965.29,-642.14 951.37,-656.06 951.37,-656.76 957.73,-663.13 958.44,-663.13 972.36,-649.21 973.06,-649.21 979.43,-655.57 979.43,-656.28 965.51,-670.2 965.51,-670.9 971.88,-677.27 972.58,-677.27 986.5,-663.35 987.21,-663.35 993.57,-669.72 993.57,-670.42 979.65,-684.34 979.65,-685.05 986.02,-691.41 986.73,-691.41 1000.64,-677.5 1001.35,-677.5 1007.71,-683.86 1007.71,-684.57 993.8,-698.48 993.8,-699.19 1000.16,-705.55 1000.87,-705.55 1014.78,-691.64 1015.49,-691.64 1021.85,-698 1021.85,-698.71 1007.94,-712.62 1007.94,-713.33 1014.3,-719.69 1015.01,-719.69 1028.93,-705.78 1029.63,-705.78 1036,-712.14 1036,-712.85 1022.08,-726.77 1022.08,-727.47 1028.44,-733.84 1029.15,-733.84 1043.07,-719.92 1043.77,-719.92 1050.14,-726.29 1050.14,-726.99 1036.22,-740.91 1036.22,-741.62 1042.59,-747.98 1043.29,-747.98 1057.21,-734.06 1057.92,-734.06 1064.28,-740.43 1064.28,-741.13 1050.37,-755.05 1050.37,-755.76 1056.73,-762.12 1057.44,-762.12 1071.35,-748.21 1072.06,-748.21 1078.42,-754.57 1078.42,-755.28 1064.51,-769.19 1064.51,-769.9 1070.87,-776.26 1071.58,-776.26 1085.49,-762.35 1086.2,-762.35 1092.56,-768.71 1092.56,-769.42 1078.65,-783.33 1078.65,-784.04 1085.01,-790.41 1085.72,-790.41 1099.64,-776.49 1100.34,-776.49 1106.71,-782.85 1106.71,-783.56 1092.79,-797.48 1092.79,-798.18 1099.16,-804.55 1099.86,-804.55 1113.78,-790.63 1114.49,-790.63 1120.85,-797 1120.85,-797.7 1106.93,-811.62 1106.93,-812.33 1113.3,-818.69 1114,-818.69 1127.92,-804.77 1128.63,-804.77 1134.99,-811.14 1134.99,-811.85 1121.08,-825.76 1121.08,-826.47 1127.44,-832.83 1128.15,-832.83 1142.06,-818.92 1142.77,-818.92 1149.13,-825.28 1149.13,-825.99 1135.22,-839.9 1135.22,-840.61 1141.58,-846.97 1142.29,-846.97 1156.2,-833.06 1156.91,-833.06 1163.28,-839.42 1163.28,-840.13 1149.36,-854.05 1149.36,-854.75 1155.72,-861.12 1156.43,-861.12 1170.35,-847.2 1171.05,-847.2 1177.42,-853.56 1177.42,-854.27 1163.5,-868.19 1163.5,-868.89 1169.87,-875.26 1170.57,-875.26 1184.49,-861.34 1185.2,-861.34 1191.56,-867.71 1191.56,-868.41 1177.64,-882.33 1177.64,-883.04 1184.01,-889.4 1184.72,-889.4 1198.63,-875.49 1199.34,-875.49 1205.7,-881.85 1205.7,-882.56 1191.79,-896.47 1191.79,-897.18 1198.15,-903.54 1198.86,-903.54 1212.77,-889.63 1213.48,-889.63 1219.84,-895.99 1219.84,-896.7 1205.93,-910.61 1205.93,-911.32 1212.29,-917.68 1213,-917.68 1226.92,-903.77 1227.62,-903.77 1233.99,-910.13 1233.99,-910.84 1220.07,-924.76 1220.07,-925.46 1226.43,-931.83 1227.14,-931.83 1241.06,-917.91 1241.76,-917.91 1248.13,-924.28 1248.13,-924.98 1234.21,-938.9 1234.21,-939.61 1240.58,-945.97 1241.28,-945.97 1255.2,-932.05 1255.91,-932.05 1262.27,-938.42 1262.27,-939.12 1248.35,-953.04 1248.35,-953.75 1254.72,-960.11 1255.43,-960.11 1269.34,-946.2 1270.05,-946.2 1276.41,-952.56 1276.41,-953.27 1262.5,-967.18 1262.5,-967.89 1268.86,-974.25 1269.57,-974.25 1273.84,-969.98 1277.98,-969.98 1279.75,-971.75 1286,-978 1633.67,-978 1769.04,-842.63 1769.04,-610.04 1741.68,-582.68 *6.27@1669.29,-582.68
B16_L5_N: *1.283 *4.43 | length 2927
  Top Layer w5: v1(-50,-1755) -193,-1898 -758.44,-1898 -891,-1765.44 -891,-948.88 -667.12,-725 -181,-725 -29.32,-876.68 *1.283@-29.32,-927.86
  Bottom Layer w5: v1(-50,-1755) -50,-1672.05 *4.43@-47.24,-1669.29
B16_L5_P: *1.281 *4.41 | length 3023
  Top Layer w5: v1(-15.75,-1724.66) -15.75,-1752.75 -172,-1909 -763,-1909 -902,-1770 -902,-944.32 -671.68,-714 -174,-714 -9.64,-878.36 *1.281@-9.64,-927.86
  Bottom Layer w5: v1(-15.75,-1724.66) *4.41@-15.75,-1669.29
B16_L6_N: *1.71 *6.31 | length 2939.5
  Top Layer w5: *1.71@913.71,-305.3 856.01,-305.3 818,-343.3 818,-463.74 839.38,-485.12 839.38,-490.38 842.61,-493.61 842.61,-497.75 840.24,-500.12 840.24,-500.83 846.6,-507.19 847.31,-507.19 860.92,-493.58 861.62,-493.58 867.99,-499.95 867.99,-500.66 854.38,-514.26 854.38,-514.97 860.74,-521.33 861.45,-521.33 874.36,-508.42 875.07,-508.42 881.43,-514.79 881.43,-515.49 868.52,-528.41 868.52,-529.11 874.89,-535.48 875.59,-535.48 888.51,-522.56 889.21,-522.56 895.58,-528.93 895.58,-529.64 882.66,-542.55 882.66,-543.26 889.03,-549.62 889.74,-549.62 902.65,-536.71 903.35,-536.71 909.72,-543.07 909.72,-543.78 896.81,-556.69 896.81,-557.4 903.17,-563.76 903.88,-563.76 916.79,-550.85 917.5,-550.85 923.86,-557.21 923.86,-557.92 910.95,-570.83 910.95,-571.54 917.31,-577.9 918.02,-577.9 930.93,-564.99 931.64,-564.99 938,-571.36 938,-572.06 925.09,-584.97 925.09,-585.68 931.45,-592.05 932.16,-592.05 945.07,-579.13 945.78,-579.13 952.14,-585.5 952.14,-586.2 939.23,-599.12 939.23,-599.82 945.6,-606.19 946.3,-606.19 959.22,-593.28 959.92,-593.28 966.29,-599.64 966.29,-600.35 953.38,-613.26 953.38,-613.97 959.74,-620.33 960.45,-620.33 973.36,-607.42 974.07,-607.42 980.43,-613.78 980.43,-614.49 967.52,-627.4 967.52,-628.11 973.88,-634.47 974.59,-634.47 987.5,-621.56 988.21,-621.56 994.57,-627.92 994.57,-628.63 981.66,-641.54 981.66,-642.25 988.02,-648.61 988.73,-648.61 1001.64,-635.7 1002.35,-635.7 1008.71,-642.07 1008.71,-642.77 995.8,-655.68 995.8,-656.39 1002.17,-662.76 1002.87,-662.76 1015.78,-649.84 1016.49,-649.84 1022.86,-656.21 1022.86,-656.92 1009.94,-669.83 1009.94,-670.53 1016.31,-676.9 1017.01,-676.9 1029.93,-663.99 1030.63,-663.99 1037,-670.35 1037,-671.06 1024.09,-683.97 1024.09,-684.68 1030.45,-691.04 1031.16,-691.04 1044.07,-678.13 1044.78,-678.13 1051.14,-684.49 1051.14,-685.2 1038.23,-698.11 1038.23,-698.82 1044.59,-705.18 1045.3,-705.18 1058.21,-692.27 1058.92,-692.27 1065.28,-698.63 1065.28,-699.34 1052.37,-712.25 1052.37,-712.96 1058.73,-719.32 1059.44,-719.32 1072.35,-706.41 1073.06,-706.41 1079.42,-712.78 1079.42,-713.48 1066.51,-726.4 1066.51,-727.1 1072.88,-733.47 1073.58,-733.47 1086.5,-720.55 1087.2,-720.55 1093.57,-726.92 1093.57,-727.63 1080.65,-740.54 1080.65,-741.24 1087.02,-747.61 1087.73,-747.61 1100.64,-734.7 1101.34,-734.7 1107.71,-741.06 1107.71,-741.77 1094.8,-754.68 1094.8,-755.39 1101.16,-761.75 1101.87,-761.75 1114.78,-748.84 1115.49,-748.84 1121.85,-755.2 1121.85,-755.91 1108.94,-768.82 1108.94,-769.53 1115.3,-775.89 1116.01,-775.89 1128.92,-762.98 1129.63,-762.98 1135.99,-769.35 1135.99,-770.05 1123.08,-782.96 1123.08,-783.67 1129.44,-790.04 1130.15,-790.04 1143.06,-777.12 1143.77,-777.12 1150.13,-783.49 1150.13,-784.19 1137.22,-797.11 1137.22,-797.81 1143.59,-804.18 1144.29,-804.18 1157.21,-791.27 1157.91,-791.27 1164.28,-797.63 1164.28,-798.34 1151.36,-811.25 1151.36,-811.96 1157.73,-818.32 1158.44,-818.32 1171.35,-805.41 1172.06,-805.41 1178.42,-811.77 1178.42,-812.48 1165.51,-825.39 1165.51,-826.1 1171.87,-832.46 1172.58,-832.46 1185.49,-819.55 1186.2,-819.55 1192.56,-825.91 1192.56,-826.62 1179.65,-839.53 1179.65,-840.24 1186.01,-846.6 1186.72,-846.6 1199.63,-833.69 1200.34,-833.69 1206.7,-840.06 1206.7,-840.76 1193.79,-853.67 1193.79,-854.38 1200.16,-860.75 1200.86,-860.75 1213.77,-847.83 1214.48,-847.83 1220.85,-854.2 1220.85,-854.9 1207.93,-867.82 1207.93,-868.52 1214.3,-874.89 1215,-874.89 1227.92,-861.98 1228.62,-861.98 1234.99,-868.34 1234.99,-869.05 1222.08,-881.96 1222.08,-882.67 1228.44,-889.03 1229.15,-889.03 1242.06,-876.12 1242.77,-876.12 1249.13,-882.48 1249.13,-883.19 1236.22,-896.1 1236.22,-896.81 1242.58,-903.17 1243.29,-903.17 1256.2,-890.26 1256.91,-890.26 1263.27,-896.62 1263.27,-897.33 1250.36,-910.24 1250.36,-910.95 1256.72,-917.31 1257.43,-917.31 1270.34,-904.4 1271.05,-904.4 1277.41,-910.77 1277.41,-911.47 1264.5,-924.39 1264.5,-925.09 1270.87,-931.46 1271.57,-931.46 1284.48,-918.54 1285.19,-918.54 1291.56,-924.91 1291.56,-925.62 1278.64,-938.53 1278.64,-939.23 1285.01,-945.6 1285.72,-945.6 1298.63,-932.69 1299.33,-932.69 1305.7,-939.05 1305.7,-939.76 1292.79,-952.67 1292.79,-953.38 1299.15,-959.74 1299.86,-959.74 1313.67,-945.93 1314.37,-945.93 1320.74,-952.29 1320.74,-953 1313.81,-959.93 1313.81,-964.07 1316.74,-967 1324.42,-967 1629.11,-967 1758.04,-838.08 1758.04,-665.04 1738.67,-645.67 *6.31@1669.29,-645.67